# Altium PCB Dashcam_V2.0E.PcbDoc (part 3 of 8) (continued)
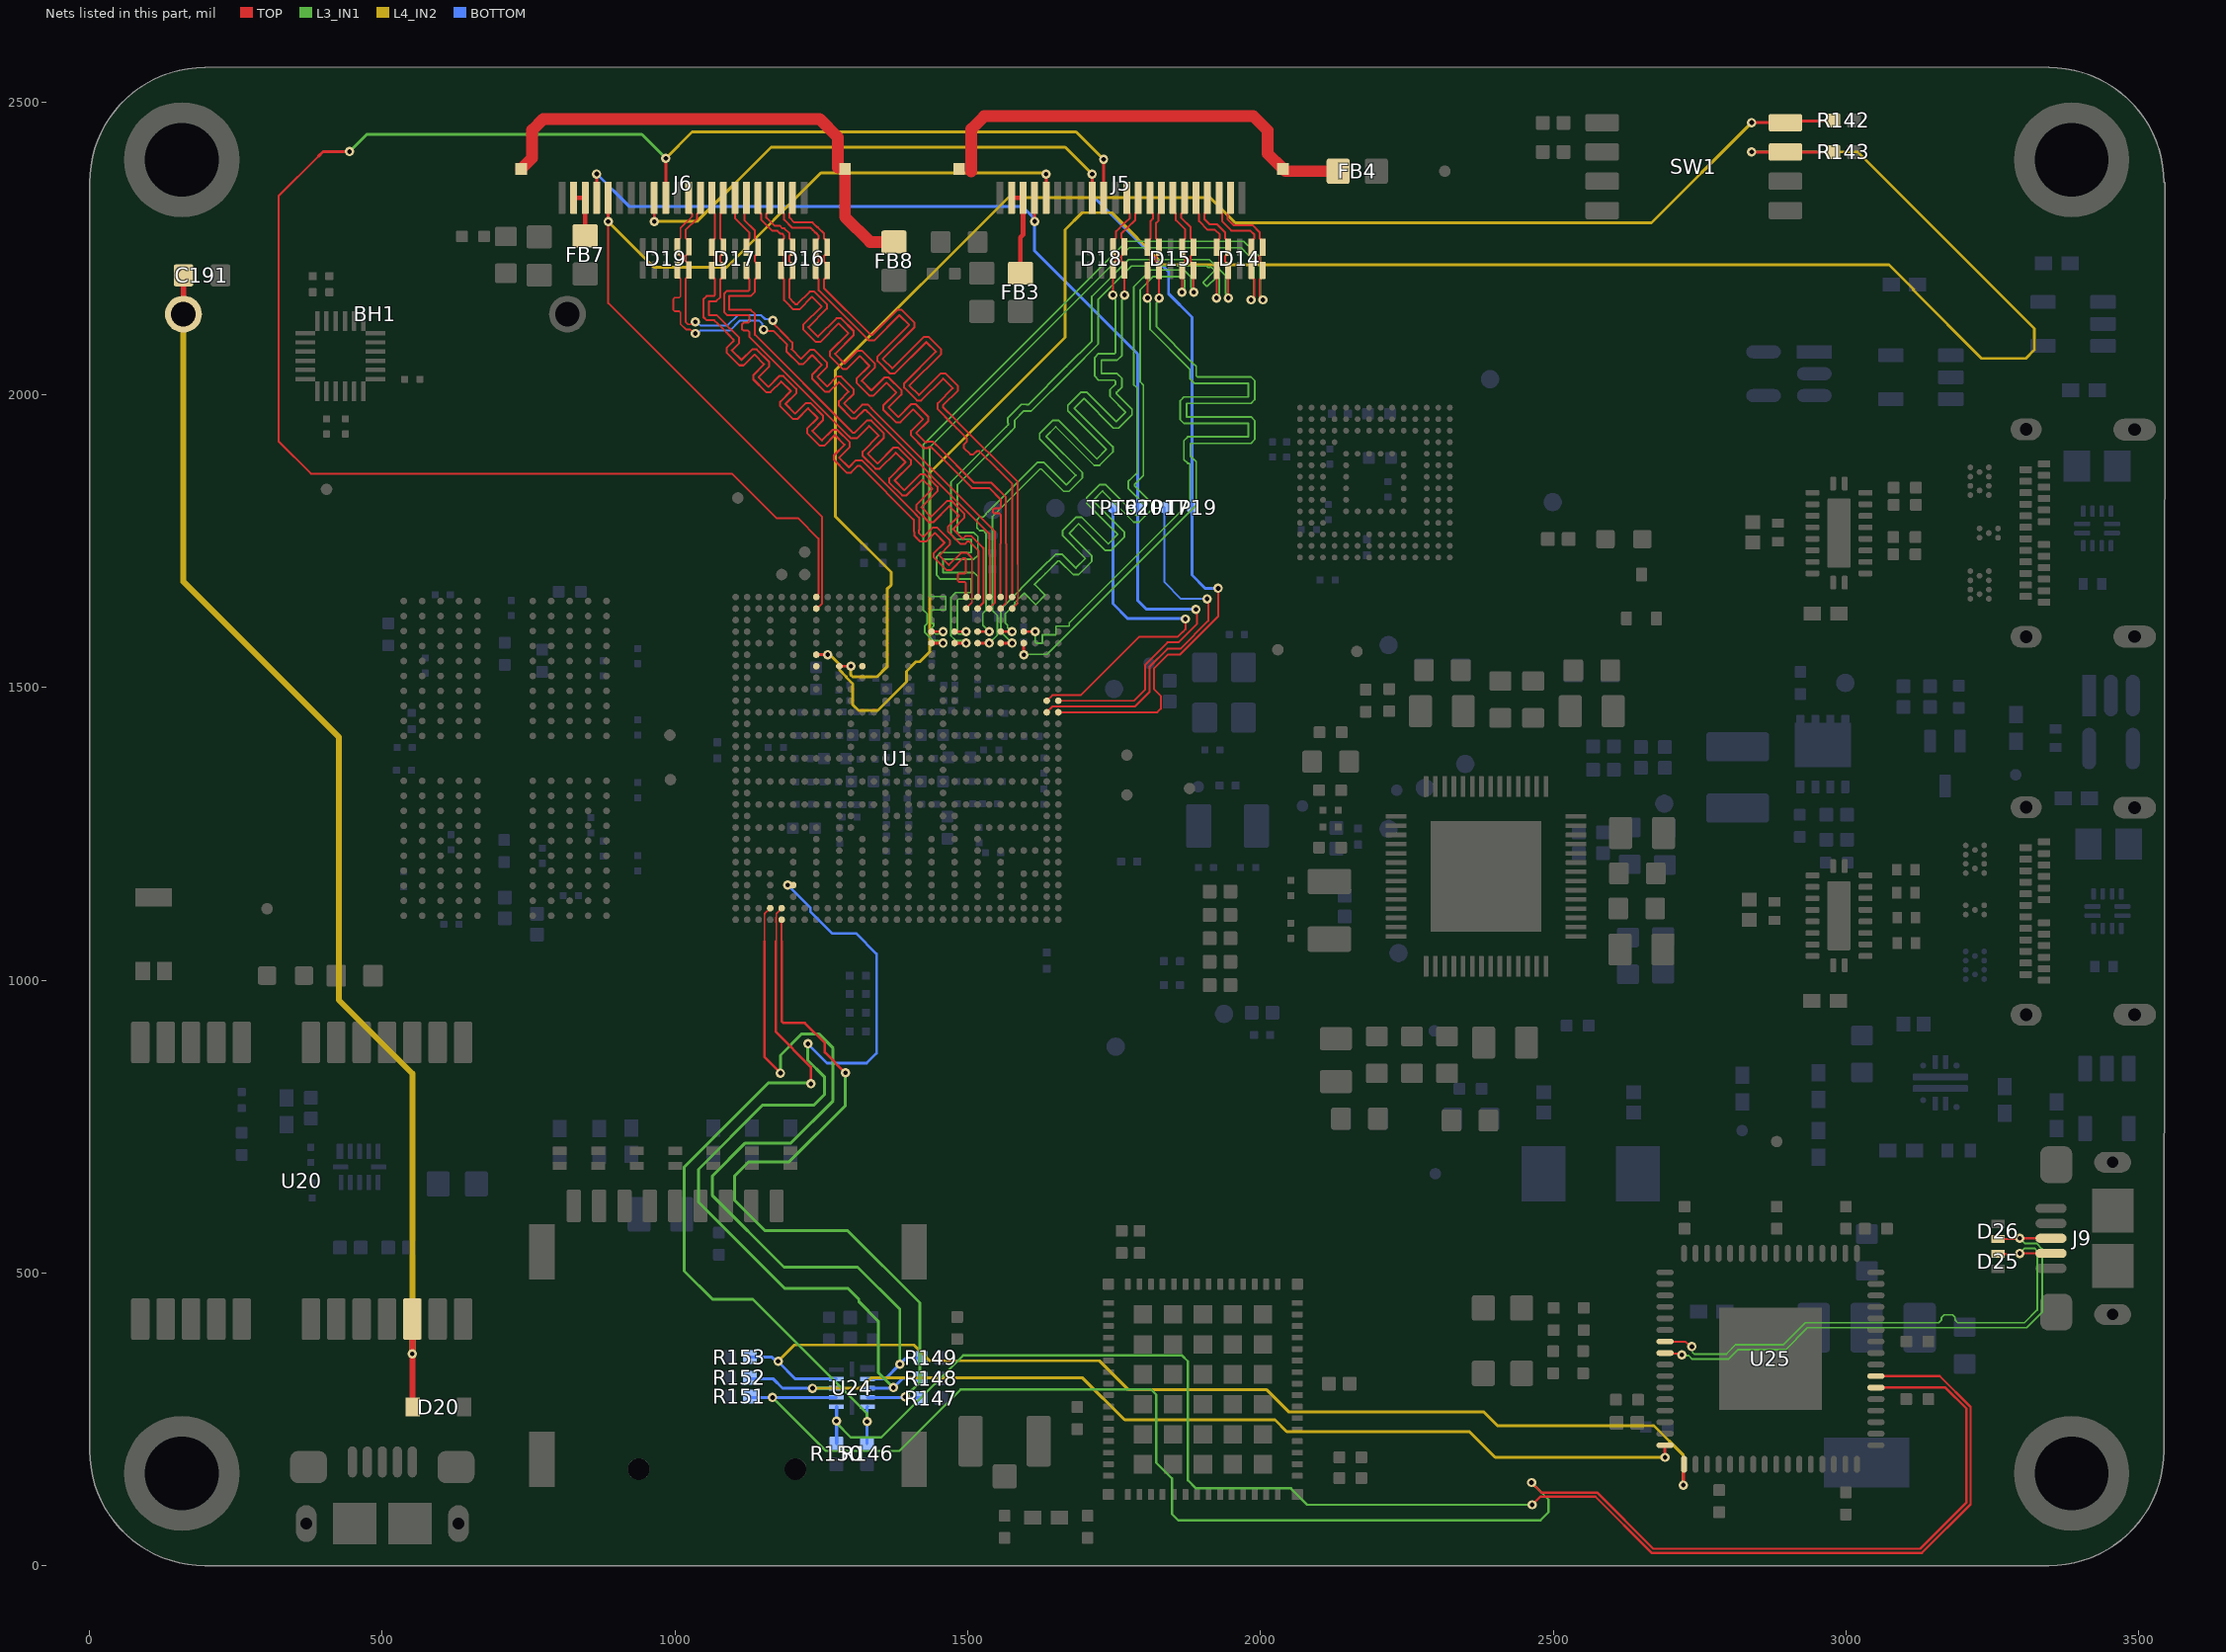
[diagram p9: the nets of this part, all layers, seen from the top]
## Part data (continued)
R125 R126: library part RES_33R_1%_62.5mW_0402, "SMD Chip Resistor, 33 Ohm, ± 1%, 62.5 mW, 0402 [1005 Metric], Thick Film, General Purpose", Case Code (Imperial)=0402, Case Code (Metric)=1005, Manufacturer=Yageo, Max Operating Temperature=155°C, Max Power Dissipation=63mW, Min Operating Temperature=-55°C, Package Quantity=10000, Power Rating=62.5mW, Resistance=33R, Resistance Tolerance=1%, Resistor Type="Thick Film", Supplier Part Number 1=311-33.0LRCT-ND, Temperature Coefficient=100ppm/°C, Voltage Rating=50V, Case/Package=0402, Category="Chip SMD Resistors", ComponentLink1Description=https://datasheet.ciiva.com/11819/0900766b80c66297-11819487.pdf?src-supplier=Rs, ComponentLink1URL=https://datasheet.ciiva.com/11819/0900766b80c66297-11819487.pdf?src-supplier=Rs, ComponentLink2Description=https://datasheet.ciiva.com/7849/1018594-7849966.pdf?src-supplier=Element14, ComponentLink2URL=https://datasheet.ciiva.com/7849/1018594-7849966.pdf?src-supplier=Element14, ComponentLink3Description=https://datasheet.ciiva.com/7849/1018594-7849967.pdf?src-supplier=Element14, ComponentLink3URL=https://datasheet.ciiva.com/7849/1018594-7849967.pdf?src-supplier=Element14, ComponentLink4Description=https://datasheet.ciiva.com/24070/pyu-rc0402-51-rohs-l-6-r-8721-24070077.pdf?src-supplier=Mouser, ComponentLink4URL=https://datasheet.ciiva.com/24070/pyu-rc0402-51-rohs-l-6-r-8721-24070077.pdf?src-supplier=Mouser, Construction=Rectangular, Depth=0.5mm, Features="Moisture Resistant", Height=0.35mm, Lead Free="Lead Free", Length=1mm, Manufacturer Part Number=RC0402FR-0733RL, Military Standard=Not, Number of Pins=2, Number of Terminations=2, Packaging="Tape and Reel", Pricing 1="1=0.1, 10=0.015, 50=0.0088, 100=0.0073, 500=0.00488, 1000=0.00417, 5000=0.00297, 10000=0.00261, 20000=0.00231, 30000=0.00216, 50000=0.00199, 100000=0.00179 (USD)", Reach SVHC Compliant=Unknown, RoHS=Yes, RoHS Compliant=Yes, Series=RC, Size Code=0402, Stock 1=4637808, Supplier 1=Digikey, Technology="THICK FILM", Termination=SMD/SMT, Tolerance=1%, Voltage Rating (AC)=50V, Voltage Rating (DC)=50V, Width=0.5mm
R130: library part RMCF0402FT100R, "RES 100 OHM 1% 1/16W 0402", Device Package="0402 (1005 Metric)", Manufacturer="Stackpole Electronics Inc", Operating Temperature="-55°C ~ 155°C", Power (Watts)="0.063W, 1/16W", Ratings=AEC-Q200, Supplier Device Package=0402, Supplier Part Number 1=RMCF0402FT100RCT-ND, Temperature Coefficient=±100ppm/°C, Tolerance=±1%, ComponentLink1Description=Datasheet, ComponentLink1URL=https://www.seielect.com/catalog/sei-rmcf_rmcp.pdf, ComponentLink2Description="DigiKey Link", ComponentLink2URL=https://www.digikey.com/en/products/detail/stackpole-electronics-inc/RMCF0402FT100R/1761807, Composition="Thick Film", Features="Automotive AEC-Q200", Height - Seated (Max)="0.016\" (0.40mm)", lastupdated="2/9/2024 8:30:13 PM", Lifecycle Status=Active, Minimum Order=1, Number of Terminations=2, Package / Case="0402 (1005 Metric)", Packaging=CutTape, Part Number=RMCF0402FT100R, Part Status=Active, partid=4910, price=0.01, Resistance="100 Ohms", Series=RMCF, Size / Dimension="0.039\" L x 0.020\" W (1.00mm x 0.50mm)", Supplier 1=DigiKey
R131: library part RES_1K_1%_100mW_0603, "Chip Resistor Automotive Grade Thick Film 0603 1kOhm 1% Paper T/R", Case Code (Imperial)=0603, Case Code (Metric)=1608, Manufacturer=Yageo, Max Operating Temperature=155°C, Min Operating Temperature=-55°C, Power Rating=100mW, Resistance=1K, Supplier Part Number 1=13-AC0603FR-101KLDKR-ND, Temperature Coefficient=100ppm/°C, Tolerance=1%, Voltage Rating=50V, Case/Package=0603, Category="Chip SMD Resistors", ComponentLink1Description=http://www.mouser.com/ds/2/447/yageodocoutput-1111992.pdf?src-supplier=Mouser, ComponentLink1URL=http://www.mouser.com/ds/2/447/yageodocoutput-1111992.pdf?src-supplier=Mouser, Height=0.45mm, Length=1.6mm, Manufacturer Part Number=AC0603FR-101KL, Packaging="Tape and Reel", Pricing 1="1=0.10000, 10=0.02500, 100=0.01030, 1000=0.00463, 2500=0.00402, 5000=0.00332 (USD)", RoHS=Yes, RoHS Compliant=Yes, Series=AC, Stock 1=108593, Supplier 1=Digi-Key, Supplier 2=Newark, Supplier 3=Mouser, Supplier Part Number 2=31AK9289, Supplier Part Number 3=603-AC0603FR-101KL, Termination=SMD/SMT, Width=0.8mm
R138 R139: library part RES_2.2K_5%_63mW_0402, "SMD Chip Resistor, 2.2 kOhm, ± 5%, 63 mW, 0402 [1005 Metric], Thick Film, General Purpose", Case Code (Imperial)=0402, Case Code (Metric)=1005, Manufacturer=Yageo, Max Operating Temperature=155°C, Max Power Dissipation=63mW, Min Operating Temperature=-55°C, Package Quantity=1, Power Rating=62.5mW, Resistance=2.2K, Resistance Tolerance=5%, Resistor Type="Thick Film", Supplier Part Number 1=603-RC0402JR-072K2L, Temperature Coefficient=100ppm/°C, Voltage Rating=50V, Case/Package=0402, Category="Chip SMD Resistors", ComponentLink1Description=https://datasheet.ciiva.com/2518/pyu-r-int-thick-7-2518881.pdf?src-supplier=Digikey, ComponentLink1URL=https://datasheet.ciiva.com/2518/pyu-r-int-thick-7-2518881.pdf?src-supplier=Digikey, ComponentLink2Description=https://datasheet.ciiva.com/2518/pyu-r-int-thick-7-2518882.pdf?src-supplier=Digikey, ComponentLink2URL=https://datasheet.ciiva.com/2518/pyu-r-int-thick-7-2518882.pdf?src-supplier=Digikey, ComponentLink3Description=https://datasheet.ciiva.com/2518/pyu-r-int-thick-7-2518880.pdf?src-supplier=Digikey, ComponentLink3URL=https://datasheet.ciiva.com/2518/pyu-r-int-thick-7-2518880.pdf?src-supplier=Digikey, ComponentLink4Description=https://datasheet.ciiva.com/12577/pyu-rc0402-51-rohs-l-6-r-12577433.pdf?src-supplier=Mouser, ComponentLink4URL=https://datasheet.ciiva.com/12577/pyu-rc0402-51-rohs-l-6-r-12577433.pdf?src-supplier=Mouser, ComponentLink5Description=https://datasheet.ciiva.com/7850/1018594-7850191.pdf?src-supplier=Element14, ComponentLink5URL=https://datasheet.ciiva.com/7850/1018594-7850191.pdf?src-supplier=Element14, ComponentLink6Description=https://datasheet.ciiva.com/7850/1018594-7850190.pdf?src-supplier=Element14, ComponentLink6URL=https://datasheet.ciiva.com/7850/1018594-7850190.pdf?src-supplier=Element14, ComponentLink7Description=https://datasheet.ciiva.com/16741/pyu-rc0402-51-rohs-l-6-r-16741086.pdf?src-supplier=Future+Electronics, ComponentLink7URL=https://datasheet.ciiva.com/16741/pyu-rc0402-51-rohs-l-6-r-16741086.pdf?src-supplier=Future+Electronics, ComponentLink8Description=https://datasheet.ciiva.com/15189/getdatasheetpartid-327800-15189558.pdf?src-supplier=Verical, ComponentLink8URL=https://datasheet.ciiva.com/15189/getdatasheetpartid-327800-15189558.pdf?src-supplier=Verical, Construction=Rectangular, Depth=0.5mm, Features="Moisture Resistant", Height=0.016inch, Lead Free=5697LeadFree, Length=1mm, Manufacturer Part Number=RC0402JR-072K2L, Military Standard=Not, Number of Terminations=2, Packaging="Tape and Reel", Pricing 1="1=0.1, 10=0.011, 50=0.011, 100=0.006, 1000=0.005, 10000=0.002 (USD)", Reach SVHC Compliant=No, RoHS=Yes, RoHS Compliant=Yes, Series=RC, Stock 1=27488, Supplier 1=Mouser, Technology="THICK FILM", Termination=SMD/SMT, Tolerance=5%, Voltage Rating (AC)=50V, Weight=2.3E-05oz, Width=0.02inch, Working Voltage=50V
R155: library part RMCF0402FT12K0, "RES 12K OHM 1% 1/16W 0402", Device Package="0402 (1005 Metric)", Manufacturer="Stackpole Electronics Inc", Operating Temperature="-55°C ~ 155°C", Power (Watts)="0.063W, 1/16W", Ratings=AEC-Q200, Supplier Device Package=0402, Supplier Part Number 1=RMCF0402FT12K0CT-ND, Temperature Coefficient=±100ppm/°C, Tolerance=±1%, ComponentLink1Description=Datasheet, ComponentLink1URL=https://www.seielect.com/catalog/sei-rmcf_rmcp.pdf, ComponentLink2Description="DigiKey Link", ComponentLink2URL=https://www.digikey.com/en/products/detail/stackpole-electronics-inc/RMCF0402FT12K0/1714419, Composition="Thick Film", Features="Automotive AEC-Q200", Height - Seated (Max)="0.016\" (0.40mm)", lastupdated="2/9/2024 8:30:16 PM", Lifecycle Status=Active, Minimum Order=1, Number of Terminations=2, Package / Case="0402 (1005 Metric)", Packaging=CutTape, Part Number=RMCF0402FT12K0, Part Status=Active, partid=4499, price=0.01, Resistance="12 kOhms", Series=RMCF, Size / Dimension="0.039\" L x 0.020\" W (1.00mm x 0.50mm)", Supplier 1=DigiKey
SW1: library part SWITCH_DIP_4P_25mA_218-4LPSTR, "Switch DIP ON OFF SPST 4 Recessed Slide 0.025A 24VDC Gull Wing 1000Cycles 1.27mm SMD T/R", Manufacturer=CTS, Max Current Rating=25mA, Max Operating Temperature=85°C, Max Voltage Rating (DC)=24V, Min Operating Temperature=-55°C, Package Quantity=2000, Supplier Part Number 1=CT3110CT-ND, Actuator Type="Slide (Standard)", Category="DIP Switches", ComponentLink1Description=https://datasheet.ciiva.com/8676/218-8676896.pdf?src-supplier=Avnet, ComponentLink1URL=https://datasheet.ciiva.com/8676/218-8676896.pdf?src-supplier=Avnet, ComponentLink2Description=https://datasheet.ciiva.com/8082/218-8082342.pdf?src-supplier=Avnet, ComponentLink2URL=https://datasheet.ciiva.com/8082/218-8082342.pdf?src-supplier=Avnet, ComponentLink3Description=https://datasheet.ciiva.com/16303/218-16303941.pdf?src-supplier=Future+Electronics, ComponentLink3URL=https://datasheet.ciiva.com/16303/218-16303941.pdf?src-supplier=Future+Electronics, ComponentLink4Description=https://datasheet.ciiva.com/15184/getdatasheetpartid-141001-15184860.pdf?src-supplier=Verical, ComponentLink4URL=https://datasheet.ciiva.com/15184/getdatasheetpartid-141001-15184860.pdf?src-supplier=Verical, Contact Material=Copper, Contact Plating=Gold, Depth=8.44mm, Electrical Life=1000Cycles, Lead Free="Lead Free", Length=6.25mm, Manufacturer Part Number=218-4LPSTR, Mechanical Life=1000Cycles, Mount="Surface Mount", Number of Positions=4, Orientation=Straight, Packaging="Tape and Reel", Pricing 1="1=1.08, 10=1.041, 25=0.978, 100=0.8449, 250=0.76996, 500=0.71586, 1000=0.66592 (USD)", Radiation Hardening=No, RoHS=Yes, RoHS Compliant=Yes, Series=218, Stock 1=12605, Supplier 1=Digi-Key, Termination="Gull Wing", Throw Configuration=SPST, Voltage Rating (DC)=24V, Washable=Yes
TP1 TP2 TP11 TP12 TP13 TP14 TP38 TP39 TP40 TP42 TP44 TP45 TP46 TP47 TP54 TP55 TP60: library part TP_PAD_SMD_Round, "Test Point, SMD pad, round, 1.5mm, 1.6mm, 3mm diameter"
TP3 TP4 TP5 TP15 TP16 TP17 TP18 TP19 TP20 TP21 TP24 TP25 TP26 TP27 TP28 TP29 TP30 TP31 TP32 TP33 TP41 TP43 TP48 TP49 TP50 TP51 TP52 TP53: library part TP_PAD_SMD_SMALL, "Test Point, SMD pad, round, 1.5mm, 1.6mm, 3mm diameter"
U1: library part IC_MPU_8M_PLUS_MIMX8ML8DVNLZAB, "i.MX 8M Plus, Consumer, / TRAY TRAY MULTIPLE DP BAKEABLE RoHS Compliant: Yes", Manufacturer="NXP Semiconductors", Category=Microprocessors, Manufacturer Part Number=MIMX8ML8DVNLZAB, Pricing 1="1=54.8, 5=52.24, 10=44.19, 25=42.8, 50=39.95, 100=31.83 (USD)", RoHS=Yes, Stock 1=1036, Supplier 1="Arrow Electronics", Supplier Part Number 1=MIMX8ML8DVNLZAB
U2: library part IC_DRAM_32G_MT53E1G32D2FW-046WT:A, "LPDDR4 32G 1GX32 FBGA DDP", Manufacturer="Micron Technology", Supplier Part Number 1=557-MT53E1G32D2FW-046WT:A-ND, Manufacturer Part Number=MT53E1G32D2FW-046WT:A, Pricing 1="1=26.73, 10=24.892, 25=24.6252, 50=24.0178, 100=21.0842, 250=20.37296, 500=19.82474 (USD)", RoHS=No, Stock 1=1349, Supplier 1=Digikey
U3: library part IC_MEMORY_eMMC_SDINBDG4-32G-I1, "Inand 7250 32GB Industrial Wide Temp -25C+85C EMMC5.1 HS400", Manufacturer=SanDisk, Supplier Part Number 1=467-SDINBDG4-32G-I1, Category=Uncategorized, Manufacturer Part Number=SDINBDG4-32G-I1, Pricing 1="1=26.46, 10=24.64, 50=23.78, 100=20.87, 1000=20.16, 10000=20.16 (USD)", RoHS=No, RoHS Compliant=No, Stock 1=1018, Supplier 1=Mouser
U4: library part IC_PMIC_8MPLUS_PCA9450CHNY, "SAMPLE FPN ONLY - Power Management Specialized - PMIC PMIC for i.MX8M Plus(865S)", Manufacturer="NXP Semiconductors", Supplier Part Number 1=568-PCA9450CHNYCT-ND, Category="Power Management ICs", Manufacturer Part Number=PCA9450CHNY, Pricing 1="1=6.6, 10=5.931, 25=5.6072, 100=4.8595, 250=4.61032, 500=4.13684, 1000=3.4889 (USD)", RoHS=Yes, RoHS Compliant=Yes, Stock 1=22066, Supplier 1=Digikey
U5: library part CMP-04910-000122-1, "2.7-V TO 23-V, 5.5-A IDEAL DIODE", RoHS Compliant=Yes
U6 U19: library part ESD_EMI_PCMF1USB3SZ, "PCMFxUSB3S - Common-mode EMI filter for differential channels with integrated ESD protection", Manufacturer=Nexperia, Supplier Part Number 1=1727-2508-1-ND, Category="Common Mode Chokes", ComponentLink1Description=http://www.farnell.com/datasheets/2043701.pdf?src-supplier=Farnell, ComponentLink1URL=http://www.farnell.com/datasheets/2043701.pdf?src-supplier=Farnell, ComponentLink2Description=https://assets.nexperia.com/documents/data-sheet/PCMFXUSB3S_SER.pdf?src-supplier=Digikey, ComponentLink2URL=https://assets.nexperia.com/documents/data-sheet/PCMFXUSB3S_SER.pdf?src-supplier=Digikey, ComponentLink3Description=http://www.farnell.com/datasheets/2043701.pdf?src-supplier=Newark, ComponentLink3URL=http://www.farnell.com/datasheets/2043701.pdf?src-supplier=Newark, ComponentLink4Description=http://www.farnell.com/datasheets/2043701.pdf?src-supplier=Element14, ComponentLink4URL=http://www.farnell.com/datasheets/2043701.pdf?src-supplier=Element14, ComponentLink5Description=https://datasheet.octopart.com/PCMF1USB3SZ-Nexperia-datasheet-137234894.pdf?src-supplier=TME, ComponentLink5URL=https://datasheet.octopart.com/PCMF1USB3SZ-Nexperia-datasheet-137234894.pdf?src-supplier=TME, Manufacturer Part Number=PCMF1USB3SZ, Pricing 1="1=0.5, 10=0.387, 100=0.2321, 500=0.21488, 1000=0.14612, 2000=0.13452 (USD)", RoHS=Yes, RoHS Compliant=Yes, Stock 1=25964, Supplier 1=Digikey
U7 U16: library part CMP-04877-000012-1, "IC MUX 2:1 8 OHM 20VQFN", Case/Package=VQFN, Max Operating Temperature=85°C, Max Supply Voltage=3.6V, Min Operating Temperature=-40°C, Min Supply Voltage=3V, Bandwidth=8GHz, Data Rate=480Mbps, Lead Free="Lead Free", Number of Pins=20, Number of Ports=2, Packaging="Tape and Reel", REACH SVHC="No SVHC", USB Standard="USB 3.1"
U8 U12 U14: library part CMP-0859-00134-4, "IC INVERTER 1CH 1-INP SOT23-5", Case/Package=SOT-23, High Level Output Current=-32mA, Low Level Output Current=32mA, Max Operating Temperature=125°C, Max Supply Voltage=5.5V, Min Operating Temperature=-40°C, Min Supply Voltage=1.65V, Package Quantity=1, Quiescent Current=10uA, Contact Plating=Tin, Height=1.3mm, Lead Free="Lead Free", Length=3.05mm, Logic Function=Inverter, Max Output Current=32mA, Mount="Surface Mount", Number of Bits=1, Number of Circuits=1, Number of Elements=1, Number of Gates=1, Number of Inputs=1, Number of Pins=5, Output Current=32mA, Packaging="Tape and Reel", Propagation Delay=3.7ns, Radiation Hardening=No, REACH SVHC="No SVHC", Schmitt Trigger Input=No, Termination=SMD/SMT, Turn-On Delay Time=7.5ns, Weight=0.000557oz, Width=1.75mm
U9 U13: library part CMP-04877-000015-1, "IC INTERFACE SPECIALIZED 12X2QFN", Max Operating Temperature=85°C, Max Supply Voltage=5.5V, Min Operating Temperature=-40°C, Min Supply Voltage=4.5V, Lead Free="Lead Free", Mount="Surface Mount", Number of Pins=12, Number of Ports=1, Packaging="Cut Tape", REACH SVHC="No SVHC", RoHS Compliant=Yes, USB Standard="USB 1.0"
U10: library part CMP-04913-000050-1, "IC PWR SWITCH N-CHAN 1:1 SOT23-5", Case/Package=SOT-23-5, Max Input Voltage=5.5V, Max Operating Temperature=85°C, Max Supply Current=75uA, Min Input Voltage=4.5V, Min Operating Temperature=-40°C, On-State Resistance=86mR, Output Current=1A, Package Quantity=3000, Lead Free="Lead Free", Mount="Surface Mount", Number of Outputs=1, Number of Pins=5, Number of Switches=1, Operating Supply Voltage=5.5V, Packaging="Tape and Reel", RoHS Compliant=Yes, Series=TPS2065C-2, Turn-Off Delay Time=3.25ms, Turn-On Delay Time=2.4ms
U11: library part CMP-0859-00123-4, "IC BUF NON-INVERT 5.5V SOT23-5", Case/Package=SOT-23-5, High Level Output Current=-8mA, Low Level Output Current=8mA, Max Operating Temperature=125°C, Max Supply Voltage=5.5V, Min Operating Temperature=-40°C, Min Supply Voltage=1.6V, Package Quantity=3000, Quiescent Current=1uA, Lead Free="Lead Free", Logic Function=Buffer, Mount="Surface Mount", Number of Bits=1, Number of Bits per Element=1, Number Of Channels=1, Number of Elements=1, Number of Input Lines=1, Number of Inputs=1, Number of Output Lines=1, Number of Outputs=1, Number of Pins=5, Operating Supply Current=8mA, Packaging="Tape and Reel", Polarity=Non-Inverting, Propagation Delay=15.5ns, Radiation Hardening=No, REACH SVHC="No SVHC", Weight=0.000353oz
U15 U17 U18 U27: library part ESD_EMI_PCMF2USB3SZ, "PCMFxUSB3S - Common-mode EMI filter for differential channels with integrated ESD protection", Manufacturer=Nexperia, Supplier Part Number 1=1727-2509-1-ND, Category="Common Mode Chokes", ComponentLink1Description=http://www.farnell.com/datasheets/2043701.pdf?src-supplier=Farnell, ComponentLink1URL=http://www.farnell.com/datasheets/2043701.pdf?src-supplier=Farnell, ComponentLink2Description=http://datasheet.octopart.com/PCMF2USB3SZ-Nexperia-datasheet-97399282.pdf?src-supplier=Rs, ComponentLink2URL=http://datasheet.octopart.com/PCMF2USB3SZ-Nexperia-datasheet-97399282.pdf?src-supplier=Rs, ComponentLink3Description=http://datasheet.octopart.com/PCMF2USB3SZ-Nexperia-datasheet-97399282.pdf?src-supplier=Mouser, ComponentLink3URL=http://datasheet.octopart.com/PCMF2USB3SZ-Nexperia-datasheet-97399282.pdf?src-supplier=Mouser, ComponentLink4Description=http://datasheet.octopart.com/PCMF2USB3SZ-Nexperia-datasheet-97399282.pdf?src-supplier=Avnet, ComponentLink4URL=http://datasheet.octopart.com/PCMF2USB3SZ-Nexperia-datasheet-97399282.pdf?src-supplier=Avnet, ComponentLink5Description=https://datasheet.octopart.com/PCMF2USB3SZ-Nexperia-datasheet-62320956.pdf?src-supplier=Newark, ComponentLink5URL=https://datasheet.octopart.com/PCMF2USB3SZ-Nexperia-datasheet-62320956.pdf?src-supplier=Newark, ComponentLink6Description=https://assets.nexperia.com/documents/data-sheet/PCMFXUSB3S_SER.pdf?src-supplier=Digikey, ComponentLink6URL=https://assets.nexperia.com/documents/data-sheet/PCMFXUSB3S_SER.pdf?src-supplier=Digikey, ComponentLink7Description=http://datasheet.octopart.com/PCMF2USB3SZ-Nexperia-datasheet-97399282.pdf?src-supplier=Digikey, ComponentLink7URL=http://datasheet.octopart.com/PCMF2USB3SZ-Nexperia-datasheet-97399282.pdf?src-supplier=Digikey, ComponentLink8Description=http://datasheet.octopart.com/PCMF2USB3SZ-Nexperia-datasheet-97399282.pdf?src-supplier=Future+Electronics, ComponentLink8URL=http://datasheet.octopart.com/PCMF2USB3SZ-Nexperia-datasheet-97399282.pdf?src-supplier=Future+Electronics, ComponentLink9Description=http://datasheet.octopart.com/PCMF2USB3SZ-Nexperia-datasheet-97399282.pdf?src-supplier=Verical, ComponentLink9URL=http://datasheet.octopart.com/PCMF2USB3SZ-Nexperia-datasheet-97399282.pdf?src-supplier=Verical, ComponentLink10Description=https://datasheet.octopart.com/PCMF2USB3SZ-Nexperia-datasheet-97399282.pdf?src-supplier=LKR, ComponentLink10URL=https://datasheet.octopart.com/PCMF2USB3SZ-Nexperia-datasheet-97399282.pdf?src-supplier=LKR, ComponentLink11Description=https://datasheet.octopart.com/PCMF2USB3SZ-Nexperia-datasheet-137234894.pdf?src-supplier=TME, ComponentLink11URL=https://datasheet.octopart.com/PCMF2USB3SZ-Nexperia-datasheet-137234894.pdf?src-supplier=TME, Manufacturer Part Number=PCMF2USB3SZ, Pricing 1="1=0.72, 10=0.62, 100=0.4295, 500=0.35888, 1000=0.30542, 2000=0.27202 (USD)", RoHS=Yes, RoHS Compliant=Yes, Stock 1=45981, Supplier 1=Digikey
U20: library part IC_MODULE_UBLOX_NEO-M9N-00B, "GNSS module, Flash, TCXO, SAW, LNA, LCC, 12x16 mm Professional Grade", Manufacturer=u-blox, Supplier Part Number 1=377-NEO-M9N-00B, Category="RF Receivers, Transceivers", ComponentLink1Description=https://datasheet.octopart.com/NEO-M9N-00B-u-blox-datasheet-166813760.pdf?src-supplier=Future+Electronics, ComponentLink1URL=https://datasheet.octopart.com/NEO-M9N-00B-u-blox-datasheet-166813760.pdf?src-supplier=Future+Electronics, ComponentLink2Description=https://datasheet.octopart.com/NEO-M9N-00B-u-blox-datasheet-166811447.pdf?src-supplier=TME, ComponentLink2URL=https://datasheet.octopart.com/NEO-M9N-00B-u-blox-datasheet-166811447.pdf?src-supplier=TME, Manufacturer Part Number=NEO-M9N-00B, Pricing 1="1=27, 10=23.92, 50=19.61, 100=15.68, 250=15.68, 1000=15.68, 10000=15.68 (USD)", RoHS=Yes, RoHS Compliant=Yes, Stock 1=8287, Supplier 1=Mouser
U21: library part IC_IMU_9AXIS_ICM-20948, "IMU (Inertial Measurement Unit), 9-Axis, Accelerometer, Gyroscope, Compass", Case/Package=QFN, Manufacturer=TDK, Max Operating Temperature=85°C, Max Supply Voltage=3.6V, Min Operating Temperature=-40°C, Min Supply Voltage=1.71V, Supplier Part Number 1=410-ICM-20948, Category="Inertial Measurement Units (IMUs)", ComponentLink1Description=http://www.farnell.com/datasheets/2632662.pdf?src-supplier=Farnell, ComponentLink1URL=http://www.farnell.com/datasheets/2632662.pdf?src-supplier=Farnell, ComponentLink2Description=https://www.invensense.com/wp-content/uploads/2016/06/App-Note-eMD-20x48-User-Guide.pdf?src-supplier=Digikey, ComponentLink2URL=https://www.invensense.com/wp-content/uploads/2016/06/App-Note-eMD-20x48-User-Guide.pdf?src-supplier=Digikey, ComponentLink3Description=http://www.farnell.com/datasheets/2632662.pdf?src-supplier=Element14, ComponentLink3URL=http://www.farnell.com/datasheets/2632662.pdf?src-supplier=Element14, ComponentLink4Description=http://www.farnell.com/datasheets/2632662.pdf?src-supplier=Newark, ComponentLink4URL=http://www.farnell.com/datasheets/2632662.pdf?src-supplier=Newark, ComponentLink5Description=https://www.invensense.com/wp-content/uploads/2016/06/App-Note-eMD-20x48-User-Guide.pdf?src-supplier=Avnet, ComponentLink5URL=https://www.invensense.com/wp-content/uploads/2016/06/App-Note-eMD-20x48-User-Guide.pdf?src-supplier=Avnet, ComponentLink6Description=https://www.invensense.com/wp-content/uploads/2016/06/App-Note-eMD-20x48-User-Guide.pdf?src-supplier=Component+Distributors+Inc., ComponentLink6URL=https://www.invensense.com/wp-content/uploads/2016/06/App-Note-eMD-20x48-User-Guide.pdf?src-supplier=Component+Distributors+Inc., Height=1.05mm, Length=3mm, Manufacturer Part Number=ICM-20948, Mount="Surface Mount", Output Type=SPI,I2C, Packaging="Cut Tape", Pricing 1="1=8.32, 10=6.38, 50=6.38, 100=5.45, 250=5.41, 500=5.13, 1000=4.8, 2500=4.76, 5000=4.61, 10000=4.61 (USD)", RoHS=Yes, Sensor Type=Accelerometer,Gyroscope,Magnetometer, Series=-, Stock 1=38177, Supplier 1=Mouser, Width=3mm
U22 U24: library part IC_LEVEL_TRASLATOR_NTS0104GU12,115, "NTS0104 Series 50 Mbps Dual Supply 3-ST O-DRN Translating Transceiver- XQFN-12", High Level Output Current=-20uA, Low Level Output Current=1mA, Manufacturer="NXP Semiconductors", Max Operating Temperature=125°C, Max Power Dissipation=250mW, Max Supply Voltage=5.5V, Min Operating Temperature=-40°C, Min Supply Voltage=1.65V, Package Quantity=1, Quiescent Current=45uA, Supplier Part Number 1=568-8408-1-ND, Category="Voltage Level Shifters", ComponentLink1Description=https://datasheet.ciiva.com/1899/nts0104-1899088.pdf?src-supplier=Digikey, ComponentLink1URL=https://datasheet.ciiva.com/1899/nts0104-1899088.pdf?src-supplier=Digikey, ComponentLink2Description=https://datasheet.ciiva.com/4834/nts0104-92130-4834865.pdf?src-supplier=Mouser, ComponentLink2URL=https://datasheet.ciiva.com/4834/nts0104-92130-4834865.pdf?src-supplier=Mouser, ComponentLink3Description=https://datasheet.ciiva.com/1899/nts0104-1899089.pdf?src-supplier=Digikey, ComponentLink3URL=https://datasheet.ciiva.com/1899/nts0104-1899089.pdf?src-supplier=Digikey, ComponentLink4Description=https://datasheet.ciiva.com/1899/nts0104-1899090.pdf?src-supplier=Digikey, ComponentLink4URL=https://datasheet.ciiva.com/1899/nts0104-1899090.pdf?src-supplier=Digikey, ComponentLink5Description=https://datasheet.ciiva.com/8244/nts0104-8244168.pdf?src-supplier=Avnet, ComponentLink5URL=https://datasheet.ciiva.com/8244/nts0104-8244168.pdf?src-supplier=Avnet, Data Rate=50Mbps, Lead Free="Lead Free", Logic Function=Translator, Manufacturer Part Number=NTS0104GU12,115, Mount="Surface Mount", Number of Bits=4, Number Of Channels=4, Number of Pins=12, Output Type=Voltage, Packaging="Tape and Reel", Pricing 1="1=1.16, 10=1.034, 25=0.982, 100=0.8065, 250=0.75396, 500=0.66628, 1000=0.52601 (USD)", Propagation Delay=4.4ns, RoHS=Yes, RoHS Compliant=Yes, Series=-, Stock 1=126626, Supplier 1=Digikey, Turn-On Delay Time=5.8ns
U23: library part IC_WIFI_BLE_LBEE5QD1ZM-572, "2.4 to 5.825GHz Bluetooth WiFi 802.11a/b/g/-c, Bluetooth v5.1 Transceiver Module", Manufacturer=Murata, Manufacturer_Name="Murata Electronics", Mouser Part Number=81-LBEE5QD1ZM-572, Arrow Part Number=LBEE5QD1ZM-572, Arrow Price/Stock=https://www.arrow.com/en/products/lbee5qd1zm-572/murata-manufacturing?region=nac, Datasheet Link=https://pl.mouser.com/datasheet/2/281/1/murata_type1zm-2006876.pdf, Height=1.345mm, Manufacturer Part Number=LBEE5QD1ZM-572, Manufacturer_Part_Number=LBEE5QD1ZM-572, Mouser Price/Stock=https://www.mouser.co.uk/ProductDetail/Murata-Electronics/LBEE5QD1ZM-572?qs=stqOd1AaK79ZX7AUUzAj%2FQ%3D%3D, Pricing="1=17.82, 10=16.11, 25=14.82, 50=14.48, 100=13.43, 250=12.74, 500=11.95, 1000=11.35, 10000=11.35 (USD)", RoHS=No, Stock=926, Supplier=Mouser, Supplier Part Number=81-LBEE5QD1ZM-572
U25: library part CMP-0078-00004-5, "IC USB HS DUAL UART/FIFO 64-QFN", Ambient Temperature Range High=+85°C, Ambient Temperature Range Low=-40°C, Manufacturer=FTDI, Max Supply Voltage=3.63V, Min Supply Voltage=1.62V, Nominal Supply Current=5-70mA, Package=QFN64, Temperature="-40°C to +85°C", Automotive=No, Category=IC, Ciiva Ids=1315829, ComponentLink2Description=Datasheet, ComponentLink2URL=https://www.ftdichip.com/Support/Documents/DataSheets/ICs/DS_FT2232H.pdf, Data Rate=480Mbits/s, Device Class L1="Integrated Circuits (ICs)", Device Class L2="Interface ICs", Device Class L3="USB Interface ICs", Digikey Description="IC USB HS DUAL UART/FIFO 64-QFN", Footprint Url=https://www.ftdichip.com/Support/Documents/TechnicalNotes/TN_166%20FTDI%20Example%20IC%20PCB%20Footprints.pdf, Height=0.9mm, Import Ts=1521843541, Interface=I2C,SPI,UART,USB,RS-232,RS-485,RS-422,Other, Ipc Land Pattern Name=QFN50P900X900X85-64, Lead Free=Yes, Manufacturer Part Number=FT2232HQ-Reel, Mouser Description="USB Interface IC USB HS to Dual UART/ FIFO/SPI/JTAG/I2C", Number of Ports=1, Octopart=https://octopart.com/ft2232hq-reel-ftdi-19172126, Release Date=1383921489, RoHS=TRUE, Standoff Height=0mm, Temperature Range High=+85°C, Temperature Range Low=-40°C, USB Standard="USB 2.0"
U26: library part IC_REG_LDO_3.3V_1A_AP2114H-3.3TRG1, "IC REG LDO 3.3V 1A SOT223", Manufacturer=Diodes, Supplier Part Number 1=AP2114H-3.3TRG1DICT-ND, Category="Voltage Regulators - Linear", ComponentLink1Description=https://datasheet.ciiva.com/29569/ap2114-29569881.pdf?src-supplier=Digikey, ComponentLink1URL=https://datasheet.ciiva.com/29569/ap2114-29569881.pdf?src-supplier=Digikey, ComponentLink2Description=https://datasheet.ciiva.com/29569/ap2114-29569882.pdf?src-supplier=Digikey, ComponentLink2URL=https://datasheet.ciiva.com/29569/ap2114-29569882.pdf?src-supplier=Digikey, ComponentLink3Description=https://datasheet.ciiva.com/29569/ap2114-29569883.pdf?src-supplier=Digikey, ComponentLink3URL=https://datasheet.ciiva.com/29569/ap2114-29569883.pdf?src-supplier=Digikey, Manufacturer Part Number=AP2114H-3.3TRG1, Pricing 1="1=0.41, 10=0.332, 25=0.304, 100=0.2262, 250=0.20504, 500=0.16968, 1000=0.12726 (USD)", RoHS=Yes, Stock 1=34610, Supplier 1=Digikey
Y1: library part "CRYSTAL_EPSON_24MHz_TSX-3225 24.0000MF15X-AC3", "24 MHz ±10ppm Crystal 9pF 40 Ohms 4-SMD, No Lead", Case/Package=SMD/SMT, Frequency=24MHz, Frequency Tolerance=10ppm, Load Capacitance=9pF, Manufacturer=Epson, Max Operating Temperature=85°C, Min Operating Temperature=-40°C, Category=Crystals, Manufacturer Part Number="TSX-3225 24.0000MF15X-AC3", Mount="Surface Mount", RoHS=Yes, RoHS Compliant=Yes, Series=FC-135, Supplier 1=Digi-Key
Y2 Y3: library part CRYSTAL_ABRACON_32.768KHz_ABS07-32.768KHZ-T, "Crystal 0.032768MHz ±20ppm (Tol) 12.5pF Flexural 70000Ohm 2-Pin CSMD T/R", Case/Package=CSMD, ESR (Equivalent Series Resistance)=70kR, Frequency=32.768kHz, Frequency Tolerance=20ppm, Load Capacitance=12.5pF, Manufacturer=Abracon, Max Operating Temperature=85°C, Min Operating Temperature=-40°C, Operating Frequency="32.768 KHz", Package Quantity=3000, Supplier Part Number 1=535-9542-1-ND, Category=Crystals, ComponentLink1Description=https://datasheet.ciiva.com/7998/1912628-7998667.pdf?src-supplier=Element14, ComponentLink1URL=https://datasheet.ciiva.com/7998/1912628-7998667.pdf?src-supplier=Element14, ComponentLink2Description=https://datasheet.ciiva.com/1357/1883680-1357319.pdf?src-supplier=Element14, ComponentLink2URL=https://datasheet.ciiva.com/1357/1883680-1357319.pdf?src-supplier=Element14, ComponentLink3Description=https://datasheet.ciiva.com/854/abs07-854936.pdf?src-supplier=Digikey, ComponentLink3URL=https://datasheet.ciiva.com/854/abs07-854936.pdf?src-supplier=Digikey, ComponentLink4Description=https://datasheet.ciiva.com/854/abs07-854935.pdf?src-supplier=Digikey, ComponentLink4URL=https://datasheet.ciiva.com/854/abs07-854935.pdf?src-supplier=Digikey, ComponentLink5Description=https://datasheet.ciiva.com/854/abs07-854937.pdf?src-supplier=Digikey, ComponentLink5URL=https://datasheet.ciiva.com/854/abs07-854937.pdf?src-supplier=Digikey, ComponentLink6Description=https://datasheet.ciiva.com/4944/abs07-11028-4944830.pdf?src-supplier=Mouser, ComponentLink6URL=https://datasheet.ciiva.com/4944/abs07-11028-4944830.pdf?src-supplier=Mouser, Depth=1.5mm, Height=0.9mm, Lead Free="Lead Free", Length=3.2mm, Manufacturer Part Number=ABS07-32.768KHZ-T, Number of Pins=2, Packaging="Tape and Reel", Pricing 1="1=0.69, 10=0.576, 50=0.5184, 100=0.4607, 500=0.43768, 1000=0.36858 (USD)", Radiation Hardening=No, Reach SVHC Compliant=No, RoHS=Yes, RoHS Compliant=Yes, Series=ABS07, Series Resistance=70kR, Stock 1=1583168, Supplier 1=Digikey, Termination=SMD/SMT, Tolerance=20ppm, Width=1.5mm
Y4: library part CMP-16379-000002-1, "RF ANT 1.575GHZ CHIP SOLDER SMD", Manufacturer="PulseLarsen Antennas", Max Frequency=1606.6MHz, Power Rating=2W, Temperature="-40°C to +85°C", Temperature Range High=+85°C, Temperature Range Low=-40°C, Automotive=No, Bandwidth=1559-1606.6MHz, Category=Ant, ComponentLink2Description=Datasheet, ComponentLink2URL=https://www.pulseelectronics.com/docs/library/W3011.pdf, Device Class L1="Integrated Circuits (ICs)", Device Class L2="RF Semiconductors and Devices", Device Class L3="RF Antennas", Digikey Description="RF ANT 1.575GHZ CHIP SOLDER SMD", Gain=1.8dB, Height=1.3mm, Impedance=50Ω, Lead Free=Yes, Manufacturer Part Number=W3011A, Number of Bands=1, Octopart=https://octopart.com/w3011a-pulse-10684180, Package=W3011A, Return Loss=-6/-7/-10dB, RoHS=TRUE
Y5: library part CMP-27762-007917-1, "Crystal 12MHz ±20ppm 18pF SMD-2 5mm x 3.2mm", Case/Package=CSMD, ESR (Equivalent Series Resistance)=60R, Frequency=12MHz, Frequency Stability=30ppm, Frequency Tolerance=20ppm, Load Capacitance=18pF, Max Operating Temperature=85°C, Min Operating Temperature=-40°C, Operating Frequency="12 MHz", Package Quantity=1000, Resistor Type=Ceramic, Depth=3.2mm, Height=0.051inch, Lead Free="Lead Free", Length=5mm, Mount="Surface Mount", Number of Pins=2, Packaging="Tape and Reel", Radiation Hardening=No, Series=ABM3, Series Resistance=60R, Termination=SMD/SMT, Tolerance=20ppm, Width=0.126inch

## Via types
v1: diameter 15.98, hole 8, TOP to BOTTOM, tented both sides, 645 vias
v2: diameter 15.98, hole 7.99, TOP to BOTTOM, tented both sides, 382 vias
v3: diameter 15.98, hole 7.99, TOP to BOTTOM, 8 vias
v4: diameter 19.68, hole 7.87, TOP to BOTTOM, 6 vias
v5: diameter 19.68, hole 19.68, TOP to BOTTOM, 4 vias

## Nets (pads, with @x,y where several pads share a name; then routed paths per layer and width w, separated by ;. In a path a pad name is that pad's centre, name@x,y a point inside that pad or via, vN(x,y) a via of type N, cw(c..) or ccw(c..) an arc to the next point about the centre after c; other vN are vias at no path point)
AFGND1: FB4.1 J5.SH1 J5.SH2 | length 771.1
  TOP w20: 1506,2381 1506,2454 1528,2476 1988,2476 2012,2452 2012,2412.21 J5.SH1@2038.39,2385.83 2042.32,2381.89 FB4.1@2132.68,2381.89
AFGND3: FB8.1 J6.SH1 J6.SH2 | length 852.3
  TOP w20: J6.SH2@737.2,2385.83 755.96,2404.58 755.96,2452.24 774.72,2471 1247,2471 1278,2440 1278,2388 ; J6.SH1@1290.35,2385.83 1290.35,2303.65 1332.98,2261.02 FB8.1@1374.02,2261.02
AGND1: FB3.1 J5.20 J5.21 | length 150.5
  TOP w8: J5.21@1574.8,2336.61 J5.20@1594.49,2336.61 1594.49,2273.49 1590,2269 FB3.1@1590,2207.68
AGND3: FB7.1 J6.20 J6.21 | length 84.6
  TOP w8: J6.21@826.77,2336.61 J6.20@846.46,2336.61 FB7.1@846.46,2271.68
BACKUP: BH1.2 C191.2 D20.2 U20.22 | length 2156.6
  TOP w10: BH1.2@160.24,2137.8 160.37,2137.93 160.37,2203.87 C191.2@160.5,2204 ; U20.22@551.18,421.26 v1(551.18,362) 551.69,361.49 551.69,271.51 D20.2@552.2,271
  L4_IN2 w10: BH1.2@160.24,2137.8 160.24,1680.76 425.5,1415.5 425.5,966.5 551.18,840.82 551.18,363.18 v1@549,361
BOOT_MODE0: R142.2 SW1.4 U1.G10 | length 2570.6
  TOP w4.72: U1.G10@1280.62,1536.42 v2(1300.31,1536.42)
  TOP w5: v1(2839,2465) 2839.24,2464.76 SW1.4@2896.65,2464.76 2899.7,2467.81 2977.66,2467.81 R142.2@2978.35,2468.5
  L4_IN2 w5: v2(1300.31,1536.42) 1300.31,1521.31 1303.24,1518.38 1344.97,1518.38 1362.2,1535.62 1362.2,1668.2 1369,1675 1369,1697.06 1274,1792.06 1274,2042 1569,2337 1914,2337 1957,2294 2668,2294 2837,2463 v1@2837,2464 ; v1@2837,2465 v1(2839,2465)
BOOT_MODE1: R143.2 SW1.3 U1.F8 | length 3690.1
  TOP w4.72: U1.F8@1241.25,1556.1 v2(1260.74,1556.1)
  TOP w5: v1(2839,2415) 2839.24,2414.76 SW1.3@2896.65,2414.76 R143.2@2978.35,2414.76
  L4_IN2 w4.72: v2(1260.74,1556.1) 1263.78,1556.1 1267.11,1552.78 1267.51,1552.78 1281,1539.29 1281,1530 1292.45,1518.55 1292.45,1517.55 1303.64,1506.36 1303.64,1470.59 1313.22,1461.01 1346.45,1461.01 1395.25,1509.8 1395.25,1527.75 1411.49,1543.98 1418.12,1543.98 1435,1560.86 1435,1867 1666,2098 1666,2281.66 1695.34,2311 1746,2311 1835,2222 3074,2222 3116,2180 ; v1(2839,2415) 3020,2415 3322,2113 3322,2077 3307,2062 3232,2062 3115,2179
BOOT_MODE2: U1.G8
BOOT_MODE3: U1.G12
CLKIN1: TP16.1 U1.K28 | length 603.8
  TOP w3: 1644.59,1487 1650.55,1487 1650.62,1487.07 1658.66,1487.07 1658.73,1487 1693,1487
  TOP w3.35: U1.K28@1634.95,1477.36 1644.59,1487 ; 1693,1487 1792.52,1586.52 1858.52,1586.52 1867,1595 ; 1867.25,1594.97 1871.8,1599.52 v2(1871.8,1617.02)
  BOTTOM w5: TP16.1@1745.8,1806.52 1747.99,1804.33 1747.99,1643.01 1773.48,1617.52 1871.3,1617.52 v2(1871.8,1617.02)
CLKIN2: TP17.1 U1.L28 | length 616.4
  TOP w3: 1644.93,1467.65 1785.93,1467.65
  TOP w3.35: U1.L28@1634.95,1457.68 1644.93,1467.65 ; 1785.93,1467.65 1810.51,1492.24 1810.51,1535.34 1841.18,1566 1863,1566 1910.8,1613.8 1910.8,1649.52 v2(1908.8,1651.52)
  BOTTOM w3.35: TP17.1@1835.99,1807.52 1835.99,1680.01 1864.48,1651.52 v2(1908.8,1651.52)
CLKOUT1: J5.19 J6.19 TP20.1 U1.K29 | length 2033.4
  TOP w3.35: U1.K29@1654.64,1477.36 1783.88,1477.36 1803.23,1496.72 1803.23,1538.95 1841.14,1576.86 ; 1841,1577 1859.91,1577 1868.47,1585.57 1891.8,1609.22 1891.8,1631.52 v2(1889.8,1633.52)
  TOP w5: J6.19@866.14,2336.61 v1(866.14,2377.23) ; v1(1614.17,2296.23) J5.19@1614.17,2336.61
  BOTTOM w5: v1(866.14,2377.23) 921.37,2322 1593,2322 1610.52,2304.48 1610.52,2302.86 1614.17,2299.2 1614.17,2245.83 1790.42,2069.58 TP20.1@1790.42,1807.52 1790.42,1648.58 1805.48,1633.52 v2(1889.8,1633.52)
CLKOUT2: J5.14 J6.14 TP19.1 U1.L29 | length 2154.3
  TOP w3.35: U1.L29@1654.64,1457.68 1823.95,1457.68 1829.8,1463.52 1829.8,1485.52 1817.8,1497.52 1817.8,1532.32 1841.48,1556 1862,1556 1927.8,1621.8 v2(1927.8,1669.52)
  TOP w5: v1(964.57,2296) J6.14@964.57,2336.61 ; J5.14@1712.6,2336.61 v1(1712.6,2377)
  L4_IN2 w5: v1(964.57,2296) 1037,2296 1164,2423 1666.6,2423 v1(1712.6,2377)
  BOTTOM w5: v1(1712.6,2377) 1712.6,2340.71 1843,2210.31 1843,2172.58 1882.99,2132.59 TP19.1@1882.99,1807.52 ; TP19.1@1882.99,1805.33 1882.99,1692.01 1905.48,1669.52 v2(1927.8,1669.52)